# Altium PCB PCB1.PcbDoc (part 1 of 2) (continued)
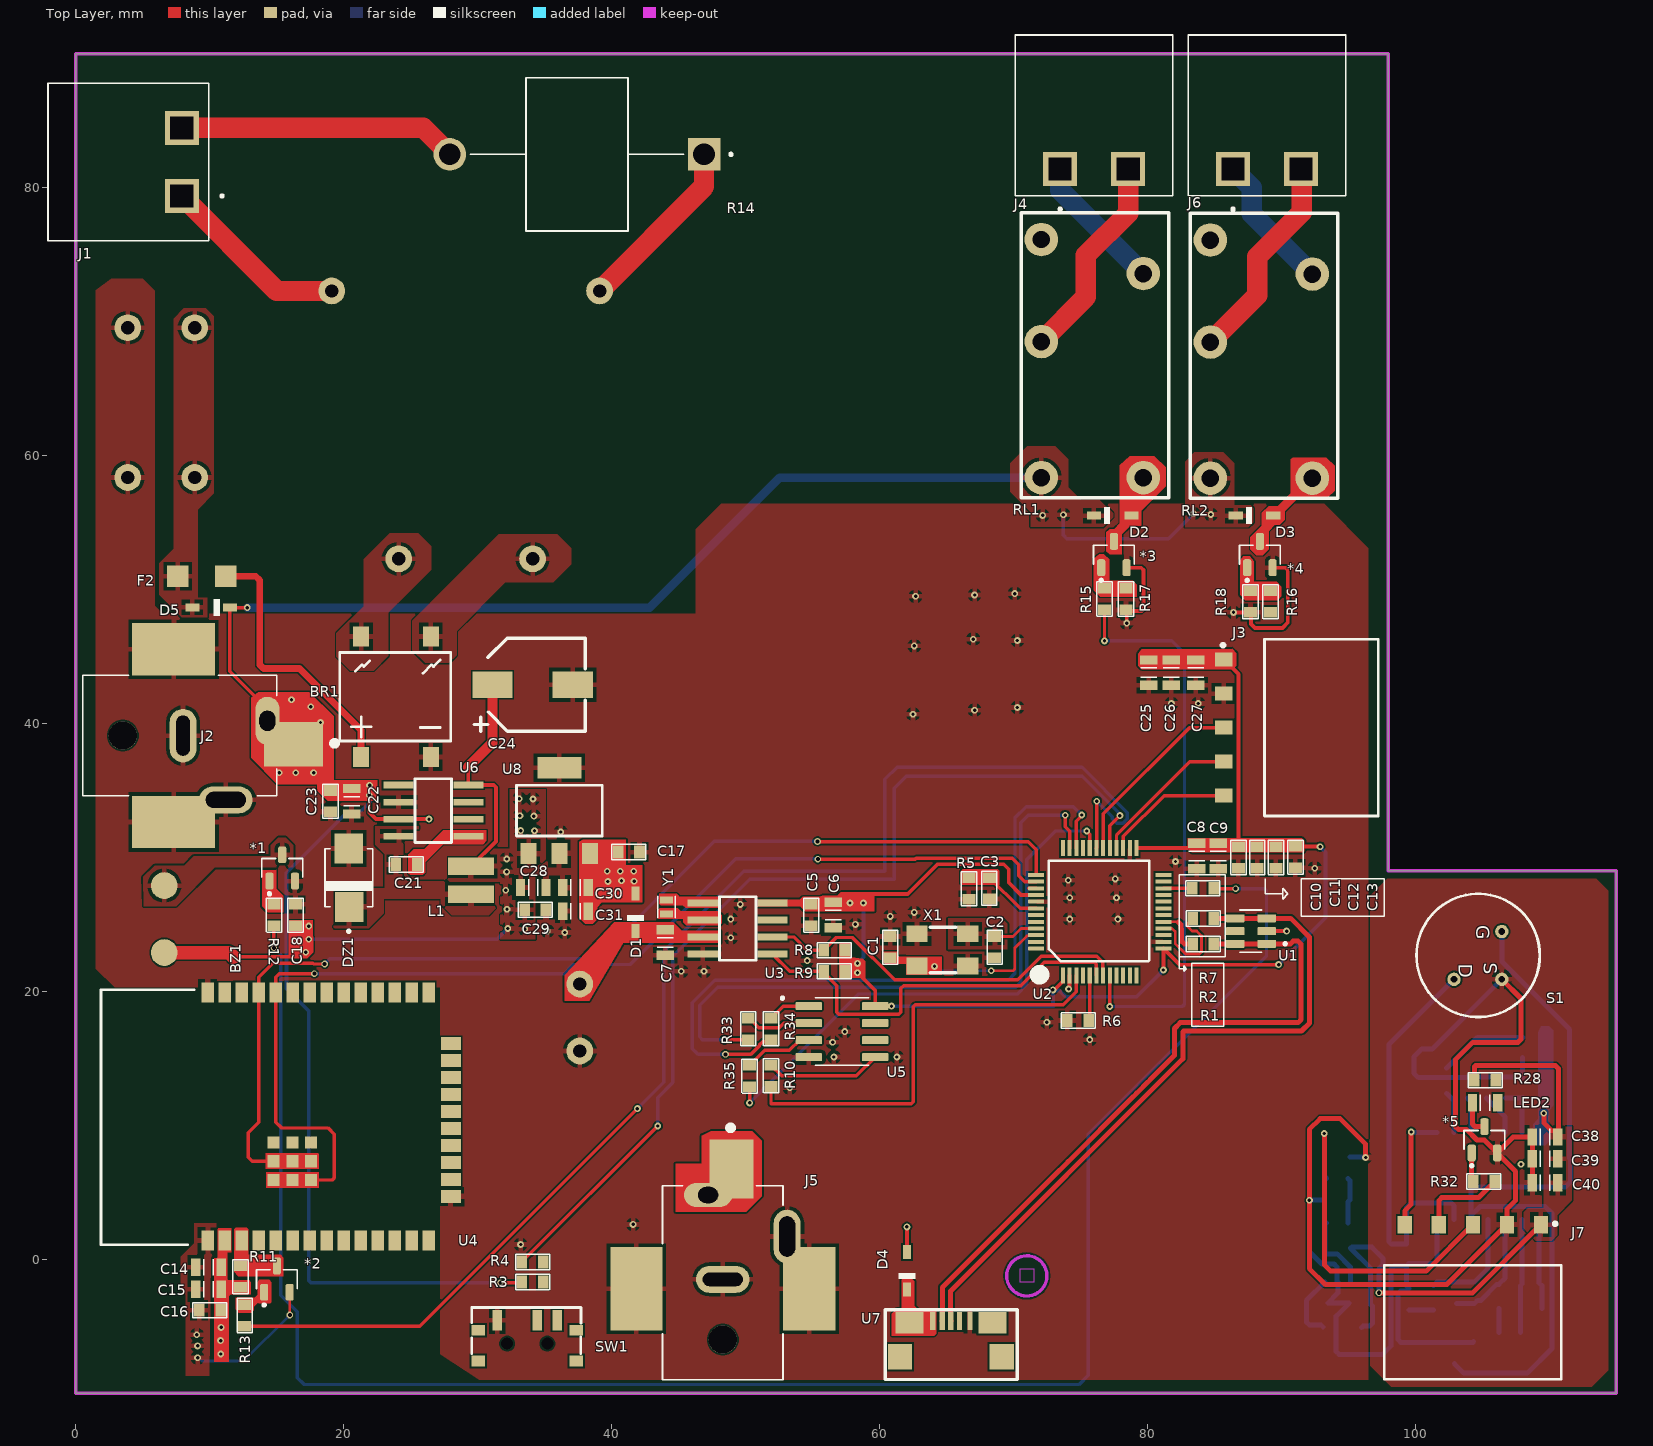
[diagram p0: Top Layer view]
## Components (designator, comment, footprint, x,y, rotation, side; value= is the part's Value field where it differs from the comment)
*1 "MMBT3904-7-F" SOT23_F 15.4,29.2 r90 top
*2 "MMBT3904-7-F" SOT23_F 15,-1.5 r90 top
*3 "MMBT3904-7-F" SOT23_F 77.5,52.6 r90 top
*4 "MMBT3904-7-F" SOT23_F 88.4,52.6 r90 top
*5 "MMBT3904-7-F" SOT23_F 105.165,8.9 r90 top
BR1 "DB105STR" DB105STR 23.9,42 r180 top
BZ1 "CMI-9605-1280T" CMI-9605 6.6,25.4 r0 top
C1 "CL10C200JB8NNNC" CAP_0603 60.8,23.3 r270 top
C2 "CL10C200JB8NNNC" CAP_0603 68.6,23.3 r90 top
C3 "C0603C104K5RACTU" CAP_0603 68.2,27.7 r90 top
C4 "ESH477M050AH4AA" CAP_RADİAL_D10_P5 37.625,18.05 r90 bottom
C5 "C0603C104K5RACTU" CAP_0603 54.9,25.7 r90 top
C6 "CL21B105KBFNNNE" "CAP 0805" 56.539,25.71 r90 top
C7 "CL21B105KBFNNNE" "CAP 0805" 44,23.65 r90 top
C8 "CL21A475KAQNNNE" "CAP 0805" 83.7,30.1 r90 top
C9 "CL21B105KBFNNNE" "CAP 0805" 85.3,30.1 r90 top
C10 "C0603C104K5RACTU" CAP_0603 86.8,30 r90 top
C11 "C0603C104K5RACTU" CAP_0603 88.2,30 r90 top
C12 "C0603C104K5RACTU" CAP_0603 89.6,30 r90 top
C13 "C0603C104K5RACTU" CAP_0603 91.058,30.027 r90 top
C14 "CL21A475KAQNNNE" "CAP 0805" 9.894,-0.6 r0 top
C15 "CL21B105KBFNNNE" "CAP 0805" 9.894,-2.25 r0 top
C16 "C0603C104K5RACTU" CAP_0603 10,-3.8 r0 top
C17 "C0603C104K5RACTU" CAP_0603 41.28,30.4 r180 top
C18 "C0603C104K5RACTU" CAP_0603 16.4,25.7 r270 top
C19 "E" CAP_RADİAL_D10_P5 6.37,69.55 r180 bottom
C20 "ESH477M050AH4AA" CAP_RADİAL_D10_P5 6.37,58.37 r180 bottom
C21 "0603B103K160CT" CAP_0603 24.675,29.475 r0 top
C22 "CL21B105KBFNNNE" "CAP 0805" 20.6,34.2 r90 top
C23 "C0603C104K5RACTU" CAP_0603 19,34.2 r90 top
C24 "EEV686M035A9HAA" CAP_EEV 34.1,42.9 r180 top
C25 "CL21A475KAQNNNE" "CAP 0805" 80.1,43.8 r90 top
C26 "CL21A475KAQNNNE" "CAP 0805" 81.8,43.8 r90 top
C27 "CL21B105KBFNNNE" "CAP 0805" 83.6,43.8 r90 top
C28 "CL21B105KBFNNNE" "CAP 0805" 34.15,27.76 r180 top
C29 "C0603C104K5RACTU" CAP_0603 34.3,26.1 r180 top
C30 "CL21A475KAQNNNE" "CAP 0805" 37.3,27.76 r0 top
C31 "CL21B105KBFNNNE" "CAP 0805" 37.3,26 r0 top
C32 "0603B103K160CT" CAP_0603 108.65,-3.675 r0 bottom
C33 "C0603C104K5RACTU" CAP_0603 108.85,13.544 r0 bottom
C34 "CL21B105KBFNNNE" "CAP 0805" 108.956,15.075 r0 bottom
C35 "C3216X5R1E336M160AC" "CAP 1206" 106.25,-2.775 r270 bottom
C36 "C0603C104K5RACTU" CAP_0603 106.725,12.825 r270 bottom
C37 "0603B103K160CT" CAP_0603 103.099,-2.485 r270 bottom
C38 "CL21A475KAQNNNE" "CAP 0805" 109.7,9.132 r0 top
C39 "CL21A475KAQNNNE" "CAP 0805" 109.7,7.5 r0 top
C40 "CL21B105KBFNNNE" "CAP 0805" 109.7,5.7 r0 top
C41 "C3216X5R1E336M160AC" "CAP 1206" 101.35,-2.875 r270 bottom
C42 "C0603C104K5RACTU" CAP_0603 99.35,0.325 r90 bottom
C43 "C0603C104K5RACTU" CAP_0603 102.925,-7 r270 bottom
C44 "C0603C104K5RACTU" CAP_0603 95.875,-3.275 r0 bottom
C45 "CL21A475KAQNNNE" "CAP 0805" 94.175,4.425 r0 bottom
C46 "CL21B104KBCNNNC" "CAP 0805" 94.175,7.625 r180 bottom
D1 "1N4148WS" "DİODE GEN" 41.8,25.7 r90 top
D2 "1N4148WS" "DİODE GEN" 77.2,55.5 r0 top
D3 "1N4148WS" "DİODE GEN" 87.8,55.5 r0 top
D4 "1N4148WS" "DİODE GEN" 62.075,-1.05 r90 top
D5 "1N4148WS" "DİODE GEN" 10.3,48.7 r180 top
DZ1 "Zener Diode 5.6V SMB" "ZEN DİOED SMD" 20.6,28.6 r90 top
F1 "FUSE 3413.0216.22" "FUSE 3413.0216.22" 464,79.8 r90 top
F2 "FUSE 3413.0216.22" "FUSE 3413.0216.22" 9.4,51 r0 top
J1 "TBP01R1-508-02BE" "TERMINAL BLOCK" 3.62,81.91 r90 top
J2 "PJ-037AH-SMT-TR" JACK 7.975,39.1 r0 top
J3 "SMH-105-02-L-S" SMH-105 93,39.7 r90 top
J4 "TBP01R1-508-02BE" "TERMINAL BLOCK" 76,85.7 r0 top
J5 "PJ-037AH-SMT-TR" JACK 48.3,-1.525 r90 top
J6 "TBP01R1-508-02BE" "TERMINAL BLOCK" 88.915,85.7 r0 top
J7 "SMH-105-02-L-S" SMH-105 104.3,-4.7 r0 top
L1 "78438335470" 78438335470 29.5,28.3 r90 top
LED1 "LH R974-LP-1" LED_RED_0805 102.35,13.325 r270 bottom
LED2 "LH R974-LP-1" LED_RED_0805 105.225,11.7 r180 top
R1 "RT0603FRE1315KL" RES_0603 84.175,23.55 r0 top
R2 "RT0603FRE1315KL" RES_0603 84.175,25.45 r0 top
R3 ":RC0603FR-0710KL" RES_0603 34.1,-1.7 r180 top
R4 ":RC0603FR-0710KL" RES_0603 34.1,-0.2 r0 top
R5 "RE0603FRE07100KL" RES_0603 66.674,27.681 r90 top
R6 "RE0603FRE07100KL" RES_0603 74.825,17.825 r0 top
R7 "RE0603FRE07100KL" RES_0603 84.15,27.7 r0 top
R8 "RC0603JR-0743KL" RES_0603 56.625,23.075 r0 top
R9 "RC0603JR-0743KL" RES_0603 56.625,21.5 r0 top
R10 ":RC0603FR-0710KL" RES_0603 51.9,13.7 r90 top
R11 ":RC0603FR-0710KL" RES_0603 12.3,-1.3 r90 top
R12 ":RC0603FR-0710KL" RES_0603 14.8,25.7 r90 top
R13 ":RC0603FR-0710KL" RES_0603 12.6,-4.2 r90 top
R14 "5WD27" 5WD27 37.41,82.627 r180 top
R15 ":RC0603FR-0710KL" RES_0603 76.8,49.3 r90 top
R16 ":RC0603FR-0710KL" RES_0603 89.2,49.1 r90 top
R17 ":RC0603FR-0710KL" RES_0603 78.4,49.3 r90 top
R18 ":RC0603FR-0710KL" RES_0603 87.7,49.1 r90 top
R19 "RC0603JR-07560KL" RES_0603 108.65,-1.975 r0 bottom
R20 "AC0603JR-101KL" RES_0603 108.85,16.575 r0 bottom
R21 "RC0603JR-07220KL" RES_0603 108.85,12.075 r0 bottom
R22 ":RC0603FR-0710KL" RES_0603 107.05,-5.475 r0 bottom
R23 "RC0603JR-07560KL" RES_0603 104.45,-2.475 r270 bottom
R24 "RC0603JR-070RL" RES_0603 105.324,12.825 r270 bottom
R25 "RC0603JR-070RL" RES_0603 103.889,12.825 r270 bottom
R26 ":RC0603FR-0710KL" RES_0603 99.55,-2.975 r90 bottom
R27 "RC0603JR-0743KL" RES_0603 104.35,-6.95 r270 bottom
R28 "AC0603FR-10100RL" RES_0603 105.225,13.37 r0 top
R29 "AC0603FR-10100RL" RES_0603 94.175,2.725 r0 bottom
R30 "RE0603FRE07100KL" RES_0603 94.175,6.025 r180 bottom
R31 ":RC0603FR-0710KL" RES_0603 92.675,-3.275 r180 bottom
R32 "AC0603FR-10100RL" RES_0603 105.125,5.8 r180 top
R33 "AC0603FR-10100RL" RES_0603 50.2,17.2 r90 top
R34 "AC0603FR-10100RL" RES_0603 51.9,17.2 r90 top
R35 "AC0603FR-10100RL" RES_0603 50.3,13.675 r90 top
RL1 "ALQ112" ALQ112 75.89,67.25 r90 top
RL2 "ALQ112" ALQ112 88.51,67.21 r90 top
RT1 "TFPT1206L1002FM" RES_1206 94.575,-5.075 r0 bottom
S1 "LHI 878/3902" "LHI 878/3902" 104.7,22.685 r270 top
SW1 "EG1215AA" EG1215AA 33.7,-6.3 r0 top
T1 "BV302S12010-ZU" BV302S12010-ZU 29.1,62.3 r0 bottom
U1 "USBLC6-2SC6" USBLC 87.75,24.525 r180 top
U2 "STM32F103C6T6A" LQFP-48 76.45,25.95 r270 top
U3 "M41T00SM6F" SOIC8 48.8,24.7 r270 top
U4 "ESP32-WROOM-32E" ESP-32 20,10.4 r90 top
U5 "MAX6662MSA+" SOIC127P600X175-8N 57.2,17 r0 top
U6 "LM2675MX-12/NOPB" SOIC8 27.3,33.5 r90 top
U7 "10118192-0001LF" ? 65.1,-7.1 r0 top
U8 "AP7361-33E-13" AP7361-33E-13 36.1,33.5 r0 top
U9 "NCS36000DRG" "IC PIR" 105.45,6.225 r90 bottom
U10 "OPA314AIDBVR" OPAMP314 94.225,-0.43 r90 bottom
X1 "ECS-160-20-30B-TR" ECS 64.8,23.2 r180 top
Y1 "ABS05-32.768KHZ-T" "CRYSTAL 2-SMD" 44.1,26.3 r270 top

## Footprints (in the part's own frame and the unit in brackets; to place one, negate y for a bottom-side part, rotate by r counter-clockwise, add the part's x,y. Pads: shape width x height; smd on the part's side, far side on the other; paste and mask are expansions set on the pad)
5WD27 [mm]
  round 2.43 hole 1.62 mask+0.05: 1(9.49,0.127)
  rect 2.43x2.43 hole 1.62: 2(-9.49,0.127)
  silkscreen extent -11.6,-5.59 7.96,5.85, body extent -31.24,-5.59 26.16,5.84, height 5.71
78438335470 [mm]
  rect 1.3x3.4 smd mask+0.05: 1(-1.05,0) 2(1.05,0)
  body extent -1.5,-1.5 1.5,1.5, height 1.2
ALQ112 [mm]
  round 2.5 hole 1.3 mask+0.05: 1(6.35,-3.81) 2(1.27,3.81) 3(8.89,3.81) 4(-8.89,-3.81) 5(-8.89,3.81)
  silkscreen extent -10.4,-5.7 10.9,5.3, body extent -10.39,-5.69 10.61,5.31, height 15.6
AP7361-33E-13 [mm]
  rect 1.2x1.6 smd mask+0.05: 1(-2.3,-3.2) 2(0,-3.2) 3(2.3,-3.2)
  rect 3.3x1.6 smd mask+0.05: 2(0,3.2)
  silkscreen extent -3.2,-1.9 3.2,1.9, body extent -3.25,-3.48 3.25,3.48, height 1.65
BV302S12010-ZU [mm]
  round 2 hole 1 mask+0.05: 1(10,-10) 5(-10,-10) 7(-5,10) 9(5,10)
  silkscreen extent -16.6,-14 16.5,13.9, body extent -16.15,-13.9 16.35,13.6, height 4.5
"CAP 0805" [mm]
  rect 0.7x1.3 smd mask+0.05: 1(-0.95,0) 2(0.95,0)
  silkscreen extent -0.35,-0.6 0.35,0.6, body extent -1.3,-0.68 1.3,0.68, height 0.92
"CAP 1206" [mm]
  rect 1.15x1.45 smd mask+0.05: 1(-0.9,0) 2(0.9,0)
  body extent -1.6,-0.78 1.6,0.78, height 1.63
CAP_0603 [mil]
  rect 31x38 smd mask+1.97: 1(-31.5,0) 2(31.5,0)
  silkscreen extent -50,-22 50,22, body extent -41,-18 41,22
CAP_EEV [mm]
  rect 3x2 smd mask+0.05: 1(-3,0) 2(3,0)
  silkscreen extent -3.94,-3.48 4.37,3.48, body extent -3.8,-3.43 3.8,3.37, height 8.01
CAP_RADİAL_D10_P5 [mm]
  round 2 hole 1 mask+0.05: 1(2.5,0) 2(-2.5,0)
  silkscreen extent -5,-5 5,5, body extent -5.25,-5.25 5.25,5.25, height 19
CMI-9605 [mm]
  round 2 all layers, no hole mask+0.05: 1(0,2.5) 2(0,-2.5)
  body extent -4.4,-4.8 5.2,4.8, height 5
"CRYSTAL 2-SMD" [mm]
  rect 0.51x0.96 smd mask+0.05: 1(-0.53,0) 2(0.53,0)
  silkscreen extent -0.8,-0.66 0.8,0.66, body extent -0.8,-0.5 0.8,0.5, height 0
DB105STR [mm]
  rect 1.2x1.52 smd mask+0.05: 1(-2.605,-4.5) 2(2.605,-4.5) 3(2.605,4.5) 4(-2.605,4.5)
  silkscreen extent -4.1,-3.3 4.2,3.3, body extent -4.16,-5.15 4.16,5.25, height 2.66
"DİODE GEN" [mm]
  rect 1.05x0.6 smd: 1(1.603,0.025) 2(-1.197,0.025)
  silkscreen extent -0.42,-0.6 0,0.65, body extent -1.05,-0.6 1.45,0.65, height 0.9
ECS [mm]
  rect 1.6x1.25 smd mask+0.05: 1(-1.8,-1.1) 2(2,-1.1) 3(2,1.3) 4(-1.8,1.3)
  silkscreen extent -0.9,-1.6 1,1.8, body extent -2.4,-1.5 2.6,1.7, height 0.85
EG1215AA [mm]
  rect 0.7x1.5 smd mask+0.05: 1(2.25,1.75) 2(0.75,1.75) 3(-2.25,1.75)
  rect 1x0.8 smd mask+0.05: ""(-3.65,-1.3) ""(-3.65,1) ""(3.65,-1.3) ""(3.65,1)
  rect 0x0 hole 0.9 mask+0.05: ""(-1.5,0) ""(1.5,0)
  silkscreen extent -4.14,-0.76 4.01,2.69, body extent -3.87,-2.74 3.83,2.16, height 1.4
ESP-32 [mm]
  rect 1.5x0.95 smd mask+0.05: 1(-9,10.16) 2(-9,8.89) 3(-9,7.62) 4(-9,6.35) 5(-9,5.08) 6(-9,3.81) 7(-9,2.54) 8(-9,1.27) 9(-9,0) 10(-9,-1.27) 11(-9,-2.54) 12(-9,-3.81) 13(-9,-5.08) 14(-9,-6.35) 25(9.525,-6.35) 26(9.525,-5.08) 27(9.525,-3.81) 28(9.525,-2.54) 29(9.525,-1.27) 30(9.525,0) 31(9.525,1.27) 32(9.525,2.54) 33(9.525,3.81) 34(9.525,5.08) 35(9.525,6.35) 36(9.525,7.62) 37(9.525,8.89) 38(9.525,10.16)
  rect 0.95x1.5 smd mask+0.05: 15(-5.715,-8) 16(-4.445,-8) 17(-3.175,-8) 18(-1.905,-8) 19(-0.635,-8) 20(0.635,-8) 21(1.905,-8) 22(3.175,-8) 23(4.445,-8) 23(4.445,-8) 24(5.715,-8)
  rect 0.9x0.9 smd mask+0.05: 34(-4.48,2.44) 34(-4.48,2.44) 34(-4.48,2.44) 34(-4.48,2.44) 34(-4.48,2.44) 34(-4.48,2.44) 34(-4.48,3.84) 34(-4.48,3.84) 34(-4.48,3.84) 34(-4.48,5.24) 34(-4.48,5.24) 34(-4.48,5.24) 35(-3.08,3.84) 35(-3.08,5.24) 35(-3.08,2.44) 35(-3.08,2.44) 36(-1.68,3.84) 36(-1.68,5.24) 36(-1.68,2.44) 36(-1.68,2.44)
  silkscreen extent -9.32,11.16 9.72,18.12, body extent -8.85,-7.67 9.05,17.73, height 2.61
"FUSE 3413.0216.22" [mm]
  rect 1.6x1.6 smd mask+0.05: 1(-1.8,0) 2(1.8,0)
  body extent -1.71,-0.8 1.51,0.8
"IC PIR" [mm]
  rect 1.18x0.58 smd mask+0.05: 1(-3.25,3.81) 2(-3.25,2.54) 3(-3.25,1.27) 4(-3.25,0) 5(-3.25,-1.27) 6(-3.25,-2.54) 7(-3.25,-3.81) 8(3.25,-3.81) 9(3.25,-2.54) 10(3.25,-1.27) 11(3.25,0) 12(3.25,1.27) 13(3.25,2.54) 14(3.25,3.81)
  silkscreen extent -2.1,-4.3 2.1,4.4, body extent -3,-4.4 3,4.4, height 1.7
JACK [mm]
  oval 1.8x3.6 hole 1.2 slot 1.5 at 90 deg: 1(6.325,1.1)
  rect 4.4x3.3 smd mask+0.05: 1(8.275,-0.65)
  rect 6.2x3.9 smd mask+0.05: 2(-0.675,6.45) 3(-0.675,-6.45)
  oval 2x4 hole 1 slot 3 at 90 deg: 2(0.025,0)
  oval 4x2 hole 1.2 slot 3 at 0 deg: 3(3.225,-4.8)
  round 2.1 hole 2.1 unplated: ""(-4.475,0)
  silkscreen extent -7.47,-4.5 11.54,4.5, body extent -7.48,-7.59 9.62,7.61, height 11.2
LED_RED_0805 [mm]
  rect 0.7x1.3 smd mask+0.05: 1(-0.95,0) 2(0.95,0)
  silkscreen extent -0.35,-0.6 0.35,0.6, body extent -1.6,-0.8 1.6,0.8, height 1.11
"LHI 878/3902" [mm]
  round 1 hole 0.5 mask+0.05: 1(1.785,-1.8) 2(-1.785,1.771) 3(1.785,1.771)
  silkscreen extent -4.6,-4.6 4.6,4.6, body extent -4.6,-5.03 4.6,4.6, height 4.7
LQFP-48 [mm] "7mm*7mm"
  rect 0.3x1.2 smd mask+0.05: 1(2.75,-4.75) 2(2.25,-4.75) 3(1.75,-4.75) 4(1.25,-4.75) 5(0.75,-4.75) 6(0.25,-4.75) 7(-0.25,-4.75) 8(-0.75,-4.75) 9(-1.25,-4.75) 10(-1.75,-4.75) 11(-2.25,-4.75) 12(-2.75,-4.75) 25(-2.75,4.75) 26(-2.25,4.75) 27(-1.75,4.75) 28(-1.25,4.75) 29(-0.75,4.75) 30(-0.25,4.75) 31(0.25,4.75) 32(0.75,4.75) 33(1.25,4.75) 34(1.75,4.75) 35(2.25,4.75) 36(2.75,4.75) 36(2.75,4.75)
  rect 1.2x0.3 smd mask+0.05: 13(-4.75,-2.75) 14(-4.75,-2.25) 15(-4.75,-1.75) 16(-4.75,-1.25) 17(-4.75,-0.75) 18(-4.75,-0.25) 19(-4.75,0.25) 20(-4.75,0.75) 21(-4.75,1.25) 22(-4.75,1.75) 23(-4.75,2.25) 23(-4.75,2.25) 24(-4.75,2.75) 37(4.75,2.75) 38(4.75,2.25) 39(4.75,1.75) 40(4.75,1.25) 41(4.75,0.75) 42(4.75,0.25) 43(4.75,-0.25) 44(4.75,-0.75) 45(4.75,-1.25) 46(4.75,-1.75) 47(4.75,-2.25) 48(4.75,-2.75)
  silkscreen extent -3.8,-4.86 5.06,3.7, body extent -4.46,-4.55 4.54,4.45
OPAMP314 [mm]
  rect 1.21x0.59 smd mask+0.05: 1(-1.255,0.95) 2(-1.255,0) 3(-1.255,-0.95) 4(1.255,-0.95) 5(1.255,0.95)
  silkscreen extent -1.6,-1.6 1.6,1.6, body extent -1.4,-1.45 1.4,1.45, height 1.45
RES_0603 [mil]
  rect 31x38 smd mask+1.97: 1(-31.5,0) 2(31.5,0)
  silkscreen extent -50,-22 50,22, body extent -39,-20 39,19
RES_1206 [mm]
  rect 0.9x1.6 smd mask+0.05: 1(1.45,0) 2(-1.45,0)
  silkscreen extent -0.8,-0.7 0.8,0.7, body extent -1.98,-0.98 1.98,0.9
SMH-105 [mm]
  rect 1.05x1.3 smd mask+0.05: 1(5.08,7.29) 2(2.54,7.29) 3(0,7.29) 4(-2.54,7.29) 5(-5.08,7.29)
  silkscreen extent -6.6,-4.25 6.6,7.47, body extent -6.63,-4.62 6.58,7.32, height 2.41
SOIC8 [mm]
  rect 0.5x2.25 smd mask+0.05: 1(-1.905,-2) 2(-0.635,-2) 3(0.635,-2) 4(1.905,-2) 5(1.905,3.2) 6(0.635,3.2) 7(-0.635,3.2) 8(-1.905,3.2)
  silkscreen extent -2.37,-0.75 2.37,1.97, body extent -2.45,-2.27 2.45,3.72, height 1.9
SOIC127P600X175-8N [mm]
  rrect25% 1.97x0.59 smd: 1(-2.475,1.905) 2(-2.475,0.635) 3(-2.475,-0.635) 4(-2.475,-1.905) 5(2.475,-1.905) 6(2.475,-0.635) 7(2.475,0.635) 8(2.475,1.905)
  silkscreen extent -4.54,-2.52 2,2.59, body extent -3,-2.45 3,2.45, height 1.75
SOT23_F [mm]
  rrect50% 1.26x0.61 smd: B(-0.96,0.945) C(1,-0.005) E(-0.96,-0.955)
  silkscreen extent -2.01,-1.53 0.72,1.52, body extent -1.48,-1.45 1.32,1.45, height 1.3
"TERMINAL BLOCK" [mm]
  rect 2.55x2.55 hole 1.7 square mask+0.05: 1(2.565,-4.293) 2(-2.515,-4.293)
  silkscreen extent -5.85,-7.39 5.91,5.71, body extent -5.94,-6.23 5.82,5.77, height 8.5
USBLC [mm]
  rrect15% 1.36x0.6 smd mask+0.05: 1(-1.162,0.972) 2(-1.162,0.022) 3(-1.162,-0.928) 4(1.188,-0.928) 5(1.188,0.022) 6(1.188,0.972)
  silkscreen extent -2.64,-1.55 0.83,1.59, body extent -1.4,-1.46 1.4,1.46, height 1.4
"ZEN DİOED SMD" [mm]
  rect 2.25x2.12 smd mask+0.05: A(2.072,0.225) C(-2.3,0.2)
  silkscreen extent -4.21,-1.55 2.05,2, body extent -2.62,-1.58 2.82,1.98, height 2.49
? [mm]
  rect 2.1x1.6 smd mask+0.05: 1(-2.871,2.364) 2(3.329,2.364)
  rect 0.4x1.35 smd mask+0.05: 1(-1.118,2.489) 2(-0.421,2.489) 3(0.229,2.489) 4(0.879,2.489)
  rect 1.8x1.9 smd mask+0.05: 3(-3.571,-0.186) 6(4.029,-0.186)
  rect 0.375x1.35 smd mask+0.05: 5(1.651,2.489)
  silkscreen extent -4.67,-1.88 5.18,3.33, body extent -3.68,-2.54 4.24,3.12, height 2.74

## Part data
*1 *2 *3 *4 *5: library part "TRANS NPN 40V 0.2A SMD SOT23-3", "Transistor General Purpose BJT NPN 40 Volt 0.2A Automotive 3-Pin SOT-23", Case/Package=SOT-23, Collector Base Voltage (VCBO)=60V, Collector Emitter Breakdown Voltage=40V, Collector Emitter Saturation Voltage=300mV, Continuous Collector Current=200mA, Emitter Base Voltage (VEBO)=6V, Frequency=300MHz, Manufacturer="Diodes Zetex", Max Operating Temperature=150°C, Max Power Dissipation=300mW, Min Operating Temperature=-55°C, Package Quantity=3000, Power Dissipation=350mW, Supplier Part Number 1=MMBT3904-FDIDKR-ND, Category=BJTs, Collector Emitter Voltage (VCEO)=40V, Collector-emitter Voltage-Max=300mV, ComponentLink1Description=https://datasheet.ciiva.com/11201/ds30036-11201778.pdf?src-supplier=Avnet, ComponentLink1URL=https://datasheet.ciiva.com/11201/ds30036-11201778.pdf?src-supplier=Avnet, ComponentLink2Description=https://datasheet.ciiva.com/15138/getdatasheetpartid-53265-15138780.pdf?src-supplier=Verical, ComponentLink2URL=https://datasheet.ciiva.com/15138/getdatasheetpartid-53265-15138780.pdf?src-supplier=Verical, ComponentLink3Description=https://datasheet.ciiva.com/22711/1915516-22711750.pdf?src-supplier=Element14, ComponentLink3URL=https://datasheet.ciiva.com/22711/1915516-22711750.pdf?src-supplier=Element14, ComponentLink4Description=https://datasheet.ciiva.com/11198/ds30036-11198999.pdf?src-supplier=Avnet, ComponentLink4URL=https://datasheet.ciiva.com/11198/ds30036-11198999.pdf?src-supplier=Avnet, ComponentLink5Description=https://datasheet.ciiva.com/6361/ds30036-6361256.pdf?src-supplier=Digi-Key, ComponentLink5URL=https://datasheet.ciiva.com/6361/ds30036-6361256.pdf?src-supplier=Digi-Key, ComponentLink6Description=https://datasheet.ciiva.com/6361/ds30036-6361254.pdf?src-supplier=Digi-Key, ComponentLink6URL=https://datasheet.ciiva.com/6361/ds30036-6361254.pdf?src-supplier=Digi-Key, Contact Plating=Tin,Matte, Element Configuration=Single, Gain Bandwidth Product=300MHz, Height=1mm, hFE Min=100, Lead Free="Lead Free", Length=3.05mm, Manufacturer Part Number=MMBT3904-7-F, Max Breakdown Voltage=40V, Max Collector Current=200mA, Max Frequency=300MHz, Mount="Surface Mount", Number of Elements=1, Number of Pins=3, Packaging="Tape and Reel", Polarity=NPN, Pricing 1="1=0,13000, 10=0,11700, 100=0,06370, 500=0,03918, 1000=0,02671 (USD)", Radiation Hardening=No, REACH SVHC="No SVHC", RoHS=Yes, RoHS Compliant=Yes, Series=-, Supplier 1=Digi-Key, Transition Frequency=300MHz, Voltage Rating (DC)=40V, Weight=0.000282oz, Width=1.4mm
BR1: "Bridge Rect 1PHASE 600V 1A Db-s", Manufacturer="Sangdest Microelectronics", Manufacturer Part Number=DB105STR, Pricing 1="1=0,45000, 10=0,33600, 100=0,20900, 500=0,14300 (USD)", RoHS=No, Stock 1=5082, Supplier 1=Digi-Key
BZ1: "9.6 mm, 12 Vdc, 80 dB, Through Hole, Driving Circuit, Magnetic Audio Indicator Buzzer", Manufacturer="CUI Devices", Supplier Part Number 1=102-CMI-9605-1280T-ND, Manufacturer Part Number=CMI-9605-1280T, Pricing 1="1=1,35000, 10=1,01900, 25=0,94360, 50=0,88800, 100=0,83460, 500=0,71806, 1000=0,67298 (USD)", RoHS=No, Supplier 1=Digi-Key
C1 C2: library part "CAP CER 20pF 0603", "Ceramic capacitor SMD-0603 20pF /50V NP0# J +-5%, SAMSUNG, RoHS", Capacitance=20pF, Case Code (Metric)=1608, Case Code (Imperial)=0603, Dielectric=C0G, Manufacturer=Samsung, Max Operating Temperature=125°C, Min Operating Temperature=-55°C, Package Quantity=1, Supplier Part Number 1=1276-1187-2-ND, Temperature Coefficient=300ppm/°C, Tolerance=5%, Voltage=50V, Case/Package=0603, Category="Ceramic Capacitors", ComponentLink1Description=https://datasheet.ciiva.com/26877/getdatasheetpartid-640634-26877974.pdf?src-supplier=Verical, ComponentLink1URL=https://datasheet.ciiva.com/26877/getdatasheetpartid-640634-26877974.pdf?src-supplier=Verical, ComponentLink2Description=https://datasheet.ciiva.com/26310/mlcc-catalogdownload2013-eng-26310315.pdf?src-supplier=Distrelec, ComponentLink2URL=https://datasheet.ciiva.com/26310/mlcc-catalogdownload2013-eng-26310315.pdf?src-supplier=Distrelec, Construction=Flat, Depth=0.8mm, Height=0.8mm, Length=1.6mm, Manufacturer Part Number=CL10C200JB8NNNC, Mount="Surface Mount", Packaging="Tape and Reel", Pricing 1="4000=0,00992, 8000=0,00906 (USD)", Radiation Hardening=No, RoHS=Yes, RoHS Compliant=Yes, Series=CL, Stock 1=291364, Supplier 1=Digi-Key, Thickness=0.035inch, Voltage Rating=50V, Width=0.031inch
C3 C5 C10 C11 C12 C13 C16 C17 C18 C23 C29 C33 C36 C42 C43 C44: library part "CAP CEP 100nF 0603", "CAP CEP 100nF %10 0603 SMD", Capacitance=100nF, Case Code (Metric)=1608, Case Code (Imperial)=0603, Dielectric=X7R, Dielectric Material=Ceramic, Manufacturer=KEMET, Max Operating Temperature=125°C, Min Operating Temperature=-55°C, Package Quantity=1, Supplier Part Number 1=399-C0603C104K5RAC7867CT-ND, Tolerance=10%, Voltage=50V, Case/Package=0603, Category="Ceramic Capacitors", ComponentLink1Description=https://datasheet.ciiva.com/7823/kem-c1002-x7r-smd-7823591.pdf?src-supplier=Element14, ComponentLink1URL=https://datasheet.ciiva.com/7823/kem-c1002-x7r-smd-7823591.pdf?src-supplier=Element14, ComponentLink2Description=https://datasheet.ciiva.com/7823/kem-c1002-x7r-smd-7823592.pdf?src-supplier=Element14, ComponentLink2URL=https://datasheet.ciiva.com/7823/kem-c1002-x7r-smd-7823592.pdf?src-supplier=Element14, ComponentLink3Description=https://datasheet.ciiva.com/5999/kem-c1002-x7r-smd-5999400.pdf?src-supplier=Farnell, ComponentLink3URL=https://datasheet.ciiva.com/5999/kem-c1002-x7r-smd-5999400.pdf?src-supplier=Farnell, ComponentLink4Description=https://datasheet.ciiva.com/28645/1851736-28645640.pdf?src-supplier=Element14, ComponentLink4URL=https://datasheet.ciiva.com/28645/1851736-28645640.pdf?src-supplier=Element14, ComponentLink5Description=https://datasheet.ciiva.com/14585/70095383-14585209.pdf?src-supplier=Allied+Electronics, ComponentLink5URL=https://datasheet.ciiva.com/14585/70095383-14585209.pdf?src-supplier=Allied+Electronics, ComponentLink6Description=https://datasheet.ciiva.com/14602/70095383-14602583.pdf?src-supplier=Allied+Electronics, ComponentLink6URL=https://datasheet.ciiva.com/14602/70095383-14602583.pdf?src-supplier=Allied+Electronics, Contact Plating=Tin,Matte, Depth=0.8mm, Dissipation Factor=2.5%, Height=0.8mm, Lead Pitch=0.7mm, Length=0.063inch, Manufacturer Part Number=C0603C104K5RACTU, Mount="Surface Mount", Number of Pins=2, Packaging="Tape and Reel", Pricing 1="1=0,12000, 10=0,08500, 50=0,04620, 100=0,03770, 500=0,02696, 1000=0,02118 (USD)", Radiation Hardening=No, REACH SVHC="No SVHC", RoHS=Yes, RoHS Compliant=Yes, Series="SMD Comm X7R", Stock 1=10207589, Supplier 1=Digi-Key, Termination=SMD/SMT, Thickness=0.034inch, Voltage Rating=50V, Voltage Rating (DC)=50V, Width=0.031inch
C4 C20: library part "Cap, 470UF, 50V,", "Cap, 470UF, 50V, Alu Elec, Radial", Capacitance=470uF, Case/Package=Radial, Manufacturer=KEMET, Max Operating Temperature=105°C, Min Operating Temperature=-40°C, Supplier Part Number 1=399-15683-ND, Tolerance=20%, Voltage Rating=50V, ComponentLink1Description=https://api.kemet.com/component-edge/download/datasheet/ESH477M050AH4AA.pdf?src-supplier=Digi-Key, ComponentLink1URL=https://api.kemet.com/component-edge/download/datasheet/ESH477M050AH4AA.pdf?src-supplier=Digi-Key, Life (Hours)=2000Hour, Manufacturer Part Number=ESH477M050AH4AA, Mount="Through Hole", Packaging=Bulk, Polarity=Polar, Pricing 1="1=0,67000, 10=0,47100, 50=0,35620, 100=0,31020, 500=0,22976, 1000=0,19530, 2500=0,18382, 5000=0,17233 (USD)", RoHS=Yes, RoHS Compliant=No, Stock 1=1152, Supplier 1=Digi-Key
C6 C7 C9 C15 C22 C27 C28 C31 C34 C40: library part "CAP CER 1UF", "Ceramic capacitor SMD-0805      %10 1UF", Capacitance=1uF, Case Code (Metric)=2012, Case Code (Imperial)=0805, Dielectric=X7R, Manufacturer=Samsung, Max Operating Temperature=125°C, Min Operating Temperature=-55°C, Package Quantity=1, Supplier Part Number 1=1276-1029-1-ND, Tolerance=10%, Voltage=50V, Case/Package=0805, Category="Ceramic Capacitors", ComponentLink1Description=https://datasheet.ciiva.com/25800/cl21b105kbfnnne-25800291.pdf?src-supplier=Digi-Key, ComponentLink1URL=https://datasheet.ciiva.com/25800/cl21b105kbfnnne-25800291.pdf?src-supplier=Digi-Key, ComponentLink2Description=https://datasheet.ciiva.com/16449/cl21b105kbfnnne-16449003.pdf?src-supplier=Future+Electronics, ComponentLink2URL=https://datasheet.ciiva.com/16449/cl21b105kbfnnne-16449003.pdf?src-supplier=Future+Electronics, ComponentLink3Description=https://datasheet.ciiva.com/26838/getdatasheetpartid-354075-26838668.pdf?src-supplier=Verical, ComponentLink3URL=https://datasheet.ciiva.com/26838/getdatasheetpartid-354075-26838668.pdf?src-supplier=Verical, Construction=Flat, Depth=1.25mm, Height=1.25mm, Length=2mm, Manufacturer Part Number=CL21B105KBFNNNE, Mount="Surface Mount", Packaging="Tape and Reel", Pricing 1="1=0,12000, 10=0,08600, 50=0,04900, 100=0,04060, 500=0,02848, 1000=0,02358 (USD)", Radiation Hardening=No, RoHS=Yes, RoHS Compliant=Yes, Series=CL, Supplier 1=Digi-Key, Thickness=0.053inch, Voltage Rating=50V, Width=0.049inch
C8 C14 C25 C26 C30 C38 C39 C45: library part "CAP CER_0805", "Cap Cer 4.7uF %10 0805", Capacitance=4.7uF, Case Code (Metric)=2012, Case Code (Imperial)=0805, Dielectric=X5R, Manufacturer=Samsung, Max Operating Temperature=85°C, Min Operating Temperature=-55°C, Package Quantity=1, Supplier Part Number 1=1276-1244-1-ND, Tolerance=10%, Voltage Rating=25V, Case/Package=0805, Category="Ceramic Capacitors", ComponentLink1Description=https://datasheet.ciiva.com/25798/cl21a475kaqnnne-25798882.pdf?src-supplier=Digi-Key, ComponentLink1URL=https://datasheet.ciiva.com/25798/cl21a475kaqnnne-25798882.pdf?src-supplier=Digi-Key, Construction=Flat, Depth=1.25mm, Height=1.25mm, Lead Free="Lead Free", Length=2mm, Manufacturer Part Number=CL21A475KAQNNNE, Mount="Surface Mount", Packaging="Tape and Reel", Pricing 1="1=0,11000, 10=0,08000, 50=0,04520, 100=0,03740, 500=0,02624, 1000=0,02172 (USD)", Radiation Hardening=No, RoHS=Yes, RoHS Compliant=Yes, Series=CL, Stock 1=1225430, Supplier 1=Digi-Key, Thickness=0.055inch, Voltage Rating (DC)=25V, Width=0.049inch
C19: library part "Cap, 470UF, 50V,", "Cap, 470UF, 50V, Alu Elec, Radial", Capacitance=470uF, Case/Package=Radial, Manufacturer=KEMET, Manufacturer Part Number=ESH477M050AH4AA, Max Operating Temperature=105°C, Min Operating Temperature=-40°C, Supplier Part Number 1=399-15683-ND, Tolerance=20%, Voltage Rating=50V, ComponentLink1Description=https://api.kemet.com/component-edge/download/datasheet/ESH477M050AH4AA.pdf?src-supplier=Digi-Key, ComponentLink1URL=https://api.kemet.com/component-edge/download/datasheet/ESH477M050AH4AA.pdf?src-supplier=Digi-Key, Life (Hours)=2000Hour, Mount="Through Hole", Packaging=Bulk, Polarity=Polar, Pricing 1="1=0,67000, 10=0,47100, 50=0,35620, 100=0,31020, 500=0,22976, 1000=0,19530, 2500=0,18382, 5000=0,17233 (USD)", RoHS=Yes, RoHS Compliant=No, Stock 1=1152, Supplier 1=Digi-Key
C21 C32 C37: library part "CAP CER 10nF", "CAP CER 0603 0.01 F, 10%,", Capacitance=10nF, Case Code (Metric)=1608, Case Code (Imperial)=0603, Dielectric=X7R, Manufacturer="Walsin Technologies", Max Operating Temperature=125°C, Min Operating Temperature=-55°C, Supplier Part Number 1=1292-1384-1-ND, Tolerance=10%, Voltage Rating=16V, Case/Package=0603, Category="Ceramic Capacitors", ComponentLink1Description=http://www.farnell.com/datasheets/1958513.pdf?src-supplier=Farnell, ComponentLink1URL=http://www.farnell.com/datasheets/1958513.pdf?src-supplier=Farnell, ComponentLink2Description=http://components.arrow.com/part/dataview/0323_00656382?src-supplier=Arrow+Europe, ComponentLink2URL=http://components.arrow.com/part/dataview/0323_00656382?src-supplier=Arrow+Europe, ComponentLink3Description=http://www.farnell.com/datasheets/1958513.pdf?src-supplier=Element14, ComponentLink3URL=http://www.farnell.com/datasheets/1958513.pdf?src-supplier=Element14, ComponentLink4Description=http://www.passivecomponent.com/wp-content/uploads/2018/10/MLCC.pdf?src-supplier=Digi-Key, ComponentLink4URL=http://www.passivecomponent.com/wp-content/uploads/2018/10/MLCC.pdf?src-supplier=Digi-Key, Depth=0.8mm, Length=1.6mm, Manufacturer Part Number=0603B103K160CT, Packaging="Tape and Reel", Pricing 1="1=0,10000, 10=0,03600, 50=0,01980, 100=0,01620, 500=0,01156, 1000=0,00908 (USD)", REACH SVHC=Unknown, RoHS=Yes, RoHS Compliant=Yes, Stock 1=79617, Supplier 1=Digi-Key, Voltage Rating (DC)=16V